# Allegro board DPU_PoE_A1_Oct-13.brd (continued)
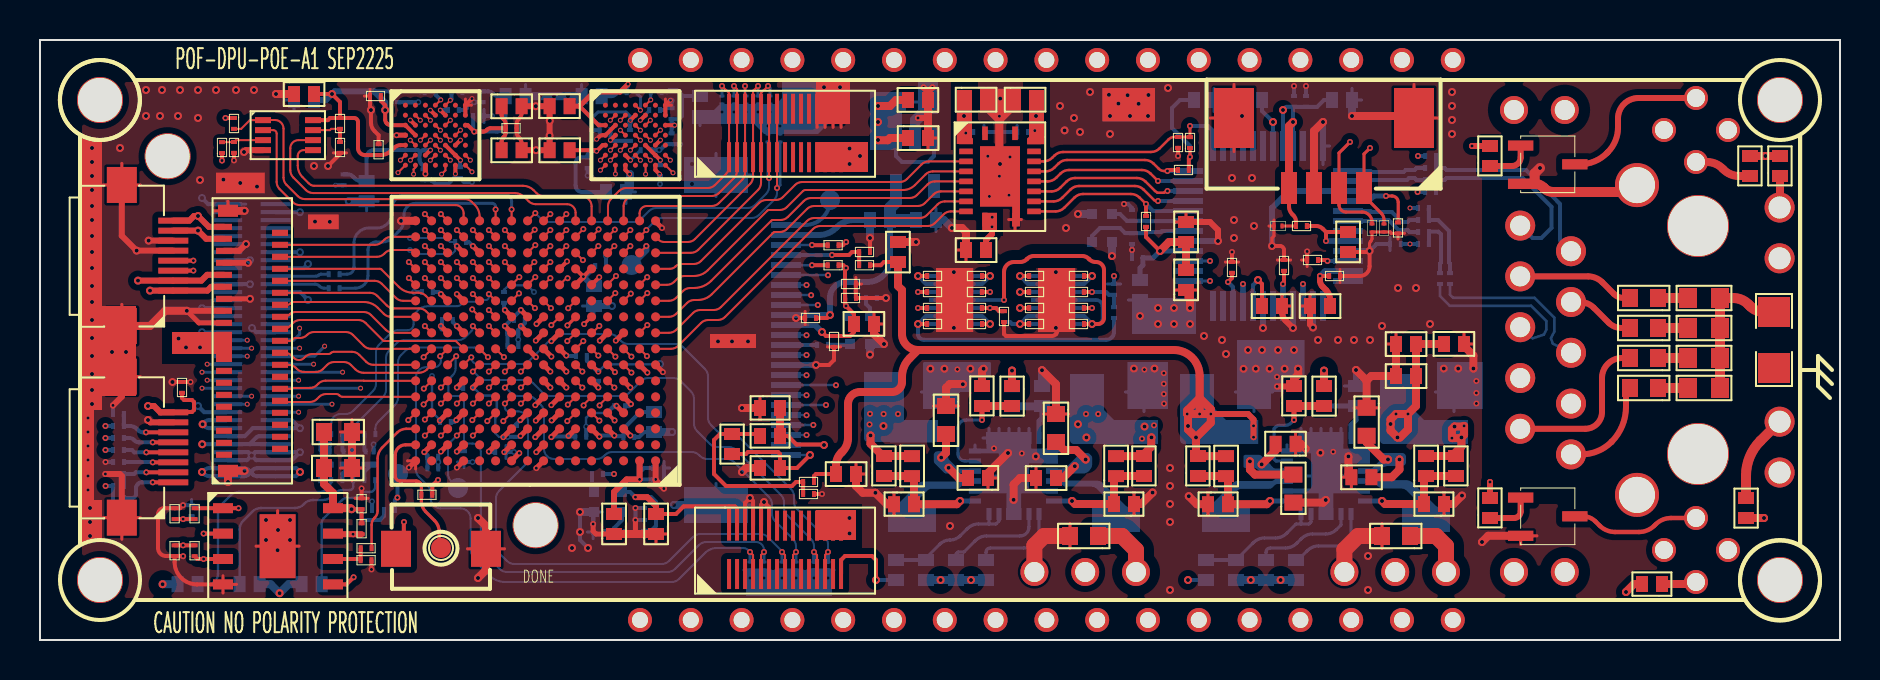
[diagram p0: board, top side]
## Footprints (pads in the part's own frame, mm; a bottom-side part is the same pattern mirrored in y, then rotated) (continued)
  rect 1.5x1.5 smd: EPAD(0,0)
UDFN-8-2X3
  rect 0.3x0.8 smd: 1(0,-2.5) 2(0.5,-2.5) 3(1,-2.5) 4(1.5,-2.5) 5(1.5,0) 6(1,0) 7(0.5,0) 8(0,0)
unnamed#2
  round 2.3 hole 2.2 unplated: (0,0)
unnamed#3
  round 3.1 hole 3 unplated: (0,0)
VQFN-20
  rect 0.68x0.28 smd: 1(-2.157,-0.75) 10(2.158,-0.75) 11(2.158,0.75) 20(-2.157,0.75)
  rect 0.28x0.68 smd: 2(-1.75,-1.7) 3(-1.25,-1.7) 4(-0.75,-1.7) 5(-0.25,-1.7) 6(0.25,-1.7) 7(0.75,-1.7) 8(1.25,-1.7) 9(1.75,-1.7) 12(1.75,1.7) 13(1.25,1.7) 14(0.75,1.7) 15(0.25,1.7) 16(-0.25,1.7) 17(-0.75,1.7) 18(-1.25,1.7) 19(-1.75,1.7)
  rect 3x2 smd: EPAD(0,0)
WFBGA-49
  round 0.25 smd: A1(0,0) A2(0.5,0) A3(1,0) A4(1.5,0) A5(2,0) A6(2.5,0) A7(3,0) B1(0,-0.5) B2(0.5,-0.5) B3(1,-0.5) B4(1.5,-0.5) B5(2,-0.5) B6(2.5,-0.5) B7(3,-0.5) C1(0,-1) C2(0.5,-1) C3(1,-1) C4(1.5,-1) C5(2,-1) C6(2.5,-1) C7(3,-1) D1(0,-1.5) D2(0.5,-1.5) D3(1,-1.5) D4(1.5,-1.5) D5(2,-1.5) D6(2.5,-1.5) D7(3,-1.5) E1(0,-2) E2(0.5,-2) E3(1,-2) E4(1.5,-2) E5(2,-2) E6(2.5,-2) E7(3,-2) F1(0,-2.5) F2(0.5,-2.5) F3(1,-2.5) F4(1.5,-2.5) F5(2,-2.5) F6(2.5,-2.5) F7(3,-2.5) G1(0,-3) G2(0.5,-3) G3(1,-3) G4(1.5,-3) G5(2,-3) G6(2.5,-3) G7(3,-3)
WSON-8-EP-6X5MM
  rect 1x0.5 smd: 1(-2.73,1.9) 2(-2.73,0.63) 3(-2.73,-0.64) 4(-2.73,-1.91) 5(2.77,-1.91) 6(2.77,-0.64) 7(2.77,0.63) 8(2.77,1.9)
  rect 1.8x3.2 smd: EP(0,0)
WSON-14-EP
  rect 0.2x0.7 smd: 1(0,-1.8) 2(0.4,-1.8) 3(0.8,-1.8) 4(1.2,-1.8) 5(1.6,-1.8) 6(2,-1.8) 7(2.4,-1.8) 8(2.4,0) 9(2,0) 10(1.6,0) 11(1.2,0) 12(0.8,0) 13(0.4,0) 14(0,0)
  rect 2x0.3 smd: EP(1.197,-0.895)

## Nets
GND: C1.1 C2.1 C3.2 C4.1 C5.1 C6.2 C7.2 C8.1 C9.2 C10.2 C11.1 C12.2 C13.1 C14.1 C15.1 C16.1 C17.1 C18.1 C19.1 C20.1 C21.1 C22.2 C23.1 C24.2 C25.1 C26.2 C27.1 C28.1 C29.1 C31.2 C32.1 C33.1 C34.1 C35.1 C36.2 C37.1 C38.1 C39.2 C40.1 C41.2 C44.2 C46.1 C48.1 C49.1 C50.1 C51.1 C56.1 C57.2 C58.1 C59.1 C60.1 C61.1 C62.1 C63.2 C64.1 C65.1 C66.1 C67.1 C68.2 C69.2 C70.1 C71.1 C72.1 C73.2 C74.2 C75.2 C76.1 C77.1 C78.1 C79.2 C80.1 C81.1 C82.1 C83.1 C84.1 C85.1 C86.2 C87.1 C88.1 C89.1 C90.1 C91.1 C92.1 C93.1 C94.1 C95.1 C96.2 C97.2 C98.1 C99.2 C100.2 C101.1 C102.2 C103.1 C104.1 C105.1 C106.1 C107.1 C108.2 C109.1 C110.2 C111.1 C112.2 C113.1 C114.2 C115.1 C116.1 C117.2 C118.2 C119.2 C120.2 C121.1 C122.1 C123.1 C124.1 C125.2 C126.2 C127.1 C128.2 C129.1 C130.1 C131.2 C132.1 C133.1 C134.1 C135.2 C136.1 C137.1 C138.1 C139.1 C142.1 C143.2 C144.1 C145.1 C146.1 C147.1 C149.2 C150.2 C151.2 D1.1 D2.1 D3.1 D4.1 D5.1 D6.1 D7.1 D8.1 D9.1 D10.1 D11.1 D12.1 D13.1 D14.1 D15.1 D16.1 J1.24 J1.26 J1.28 J1.30 J2.3 J2.5 J2.6 J3.5 J3.6 J3.9 J3.10 J4.7 J4.9 J4.10 J5.6 J5.8 J5.10 J5.12 J7.2 J7.15 J7.25 J7.26 J8.5 J8.6 J8.7 J8.8 J8.11 J8.14 J8.16 J8.17 J8.37 J8.38 J8.43 J8.48 J8.49 J8.54 J8.55 J8.58 J8.68 J8.69 J10.3 J11.3 Q1.2(E) Q2.2(E) Q3.2(EMITTER) Q4.2(EMITTER) Q5.2(EMITTER) R5.2 R6.2 R13.2 R15.1 R16.1 R18.1 R19.1 R23.2 R24.2 R27.1 R34.1 R36.1 R37.1 R38.1 R39.1 R46.2 R59.2 R66.1 R73.2 R82.2 SW1.1 U1.4 U2.A7 U2.B4 U2.B7 U2.C2 U2.D1 U2.E6 U2.G3 U2.G6(VSSQ#G6) U3.A7 U3.B4 U3.B7 U3.C2 U3.D1 U3.E6 U3.G3 U3.G6(VSSQ#G6) U4.11 U4.EPAD U5.A1 U5.A8 U5.A10 U5.A13 U5.A16 U5.B8 U5.B10 U5.B14(VSSSD#B14) U5.C3 U5.C6 U5.C9 U5.C10 U5.D3 U5.D8 U5.D14 U5.E7 U5.E8 U5.F3 U5.F12 U5.G1 U5.G2 U5.G5 U5.G8 U5.H8 U5.H9 U5.J3 U5.J7 U5.J8 U5.J9 U5.J14 U5.L13 U5.M5 U5.N7 U5.P13 U5.T1 U5.T16 U6.4 U6.EP U7.2 U8.3 U8.9 U8.14 U8.16 U8.19 U8.29 U8.48 U9.11 U9.EP U10.11 U10.EP U11.GND1 U11.GND2 U12.3 U12.4 U12.8 U12.12 U12.13 U12.14 U12.15 U12.16 U12.17 U12.19 U12.20 U12.23 U12.EPAD U13.3 U13.4 U13.8 U13.12 U13.13 U13.14 U13.15 U13.16 U13.17 U13.19 U13.20 U13.23 U13.EPAD Y1.23 Y1.25 Y1.27 Y1.33 Y1.35 Y1.40 Y1.41 Y2.2 Y2.4(GND#4) Y3.2 Y4.2
GND_EARTH: C43.1
P1V0: C53.2 C65.2 C110.1 C112.1 C113.2 C114.1 C120.1 C125.1 C126.1 C127.2 C128.1 C131.1 C132.2 C133.2 C135.1 L4.2 R30.2 U5.A2 U5.B15 U5.C4 U5.C5 U5.C7 U5.D7 U5.D9 U5.H7 U5.J10 U5.K9
P1V5: C36.1 C99.1 C100.1 J7.10 U7.5(OUT)
P1V8: C1.2 C2.2 C3.1 C5.2 C6.1 C7.1 C8.2 C9.1 C11.2 C12.1 C13.2 C16.2 C24.1 C26.1 C29.2 C37.2 C44.1 C46.2 C54.2 C56.2 C63.1 C64.2 C66.2 C67.2 C68.1 C69.1 C70.2 C71.2 C72.2 C76.2 C79.1 C80.2 C81.2 C82.2 C83.2 C84.2 C85.2 C87.2 C88.2 C89.2 C90.2 C91.2 C92.2 C93.2 C94.2 C95.2 C96.1 C97.1 C102.1 C104.2 C107.2 C108.1 C109.2 C111.2 C115.2 C116.2 C119.1 C123.2 C124.2 C129.2 C130.2 C136.2 C137.2 C138.2 C139.2 C149.1 J1.23 J1.25 J1.27 J1.29 J3.1 J3.2 J4.8 J5.2 J5.4 J7.11 L3.2 R1.1 R2.1 R4.1 R12.1 R14.1 R31.2 R35.2 R42.2 R43.2 R45.2 R48.1 R49.2 R50.1 R51.2 R60.2 R67.1 R71.1 R72.1 R78.2 R79.1 R80.1 R81.2 U1.8 U2.B5 U2.C1 U2.C7 U2.D2 U2.E1 U2.E5 U2.F3 U2.F6 U3.B5 U3.C1 U3.C7 U3.D2 U3.E1 U3.E5 U3.F3 U3.F6 U4.2 U4.10 U5.B11 U5.B13 U5.C8 U5.D13 U5.E3 U5.F5 U5.F7 U5.F8 U5.F13 U5.G7 U5.J4 U5.J13 U5.K8 U5.K10 U5.L14 U5.M6 U5.N5 U5.N6 U5.P12 U6.8 U7.1 U7.3 U9.1 U9.2 Y1.29 Y1.31 Y3.4(VCC) Y4.4(VCC)
P2V8: C18.2 C55.2 C57.1 C118.1 FB2.1 FB3.1 L2.2 R32.2
P3V3: C4.2 C22.1 C39.1 C52.2 C73.1 C74.1 C75.1 C77.2 C78.2 C86.1 C103.2 C106.2 C117.1 C143.1 C144.2 C145.2 C146.2 C147.2 D1.2 FB1.1 J2.4 J3.7 J3.8 J5.24 J5.26 J5.28 J5.30 L1.2 R3.1 R8.2 R9.2 R10.2 R11.2 R33.2 R41.2 R47.2 U4.19(VCCB) U8.28 U8.43 U8.44 U8.45 U10.1 U10.2 U10.6 U10.7 Y1.37 Y1.39
P3V3A: C14.2 C15.2 C19.2 C25.2 C32.2 FB1.2 R91.2 R92.2 U8.4 U8.8 U8.11 U8.15 U8.17 U8.21
P5V0: C41.1 C48.2 C49.2 C50.2 C51.2 C58.2 C59.2 C60.2 C61.2 C150.1 C151.1 D17.2 D18.2 D19.2 J10.1 J11.1 R25.1 R26.1 R64.2 R65.2 R83.2 R84.2 R85.2 R87.2 R88.2 R89.2 U9.4 U9.6 U9.7 U10.4 U12.10 U12.21 U13.10 U13.21 Y1.17 Y1.19 Y1.21
ACTLED: U8.27 U11.12
C13: TP38.1(TP) U5.C13
CENTER12: C30.2 J6.1 U11.3
CENTER56: C42.2 J6.2 U11.4
DBG_RXD: D3.2 J2.1 U5.K5
DBG_TXD: D2.2 J2.2 U5.H6
DONE: R35.1 TP18.1(TP) U5.B16
DVP_D0: J7.19 U5.E4
DVP_D1: J7.21 U5.E6
DVP_D2: J7.22 U5.D6
DVP_D3: J7.20 U5.E5
DVP_D4: J7.18 U5.D5
DVP_D5: J7.16 U5.F6
DVP_D6: J7.14 U5.G3
DVP_D7: J7.12 U5.H2
DVP_HSYNC: J7.9 U5.H3
DVP_MCLK: J7.13 R63.2
DVP_PCLK: J7.17 U5.F4
DVP_PWDN: J7.8 U5.J2
DVP_RST: J7.6 U5.J5
DVP_SCL: J7.5 R14.2 U5.L3
DVP_SDA: J7.3 R12.2 U5.M2
DVP_VSYNC: J7.7(VSYNC) U5.H4
E_CSN: U4.9 U5.H1
E_INT: U4.5 U5.M1
E_MISO: U4.7 U5.K1
E_MOSI: U4.6 U5.L1
E_RST: U4.4 U5.N1
E_SCLK: U4.8 U5.J1
EN_ME1: R89.1 R90.1 U13.5 U13.6
EN_ME2: R85.1 R86.1 U12.5 U12.6
ETH_CSN: R11.1 U4.12 U8.32
ETH_INT: R10.1 U4.16 U8.36
ETH_MISO: U4.14 U8.34
ETH_MOSI: U4.15 U8.35
ETH_RST: C10.1 R3.2 U4.17 U8.37
ETH_SCLK: U4.13 U8.33
FP_LED0: J3.3 U5.M7
FP_LED1: J3.4 U5.M8
H1_CKN: U3.B2 U5.T8
H1_CKP: U3.B3 U5.T7
H1_CS: R49.1 U3.A4 U5.P5
H1_D0: U3.D4 U5.P7
H1_D1: U3.D3 U5.R8
H1_D2: U3.C5 U5.P3
H1_D3: U3.D5 U5.R4
H1_D4: U3.D6 U5.P4
H1_D5: U3.E4 U5.R5
H1_D6: U3.E3 U5.R6
H1_D7: U3.E2 U5.R7
H1_D8: U3.F5 U5.L10
H1_D9: U3.F1 U5.R9
H1_D10: U3.F7 U5.L8
H1_D11: U3.F2 U5.P8
H1_D12: U3.G5 U5.M9
H1_D13: U3.G1 U5.P9
H1_D14: U3.G7 U5.L9
H1_D15: U3.G2 U5.N9
H1_RST: R48.2 U3.A5 U5.P6
H1_RWDS0: U3.C4 U5.R3
H1_RWDS1: U3.F4 U5.N8
H2_CKN: U2.B2 U5.T15
H2_CKP: U2.B3 U5.T14
H2_CS: R51.1 U2.A4 U5.R10
H2_D0: U2.D4 U5.N12
H2_D1: U2.D3 U5.N13
H2_D2: U2.C5 U5.P11
H2_D3: U2.D5 U5.R12
H2_D4: U2.D6 U5.N11
H2_D5: U2.E4 U5.R13
H2_D6: U2.E3 U5.R14
H2_D7: U2.E2 U5.P14
H2_D8: U2.F5 U5.M11
H2_D9: U2.F1 U5.N15
H2_D10: U2.F7 U5.N10
H2_D11: U2.F2 U5.R15
H2_D12: U2.G5 U5.M12
H2_D13: U2.G1 U5.P15
H2_D14: U2.G7 U5.M10
H2_D15: U2.G2 U5.N14
H2_RST: R50.2 U2.A5 U5.P10
H2_RWDS0: U2.C4 U5.R11
H2_RWDS1: U2.F4 U5.M13
INIT_N: R80.2 TP37.1(TP) U5.D11
IO-3: U5.R16 Y1.36
IO-4: U5.P16 Y1.34
IO-5: U5.L15 Y1.32
IO-6: U5.L16 Y1.30
IO-7: U5.K15 Y1.28
IO-8: U5.K16 Y1.26
IO-9: U5.J16 Y1.24
IO-10: U5.H13 Y1.22
IO-11: U5.H16 Y1.20
IO-12: U5.G16 Y1.18
IO-13: U5.G15 Y1.16
IO-14: U5.F16 Y1.12
IO-15: U5.E16 Y1.10
IO_E10: D14.2 J5.15 U5.E10
IO_F10: D13.2 J5.17 U5.F10
IO_G12: D12.2 J5.23 U5.G12
IO_G13: D11.2 J5.25 U5.G13
IO_G14: D15.2 J5.9 U5.G14
IO_H14: D16.2 J5.7 U5.H14
IO_LED_1: R70.1 U5.L11
IO_LED_2: R69.1 U5.J12
IO_LED_3: R68.1 U5.H12
IO_P1: D4.2 J1.9 J1.10 U5.P1
IO_R1: D5.2 J1.7 J1.8 U5.R1
IO_R2: D9.2 J1.13 J1.14 U5.R2
IO_T2: D6.2 J1.5 J1.6 U5.T2
IO_T3: D7.2 J1.3 J1.4 U5.T3
IO_T4: D8.2 J1.1 J1.2 U5.T4
IO_T9: D10.2 J1.11 J1.12 U5.T9
IR_1V8: C23.2 J8.9 J8.10 J8.12 U9.13 U9.14
IR_1V8_EN: C105.2 R16.2 R61.2 U9.3
IR_3V3: C38.2 J8.13 J8.15 R61.1 U10.8 U10.9(VOUT2.)
IR_3V3_EN: C35.2 R18.2 R62.2 U10.5
IR_5V0: C40.2 J8.1 J8.2 J8.3 J8.4 R62.1 U9.8 U9.9(VOUT2.)
IR_D0: J8.18 U5.E15
IR_D1: J8.19 U5.E12
IR_D2: J8.20 U5.F9
IR_D3: J8.21 U5.E13
IR_D4: J8.22 U5.G10
IR_D5: J8.23 U5.F15
IR_D6: J8.24 U5.E9
IR_D7: J8.25 U5.H15
IR_D8: J8.26 U5.G9
IR_D9: J8.27 U5.J15
IR_D10: J8.28 U5.K7
IR_D11: J8.29 U5.K12
IR_D12: J8.30 U5.J11
IR_D13: J8.31 U5.L12
IR_D14: J8.32 U5.K11
IR_D15: J8.33 U5.M16
IR_HSYNC: J8.34 U5.M15
IR_PCLK: J8.36 U5.M14
IR_PWR_EN: R19.2 U5.M4 U9.5
IR_UART_RX: R58.1 U5.T11
IR_UART_TX: R57.1 U5.T10
IR_VSYNC: J8.35 U5.N16
JTAG_EN: J4.6 R66.2 R67.2 U5.D10
LD_3V3: C21.2 U10.13 U10.14
LD_3V3_EN: R15.2 U10.3
LINKLED: U8.25 U11.14
MCLK: R44.1 U5.C16
MCSN: R42.1 U5.C15 U6.1
MD0: U5.C14 U6.5
MD1: U5.D16 U6.2
MD2: R45.1 U5.D15 U6.3(W#/SIO2)
MD3: R43.1 U5.D12 U6.7
MIPI1_CLK+: U5.D1
MIPI1_CLK-: U5.D2
MIPI1_D0+: U5.E1
MIPI1_D0-: U5.E2
MIPI1_D1+: U5.C1
MIPI1_D1-: U5.C2
MIPI2_CLK+: U5.A5
MIPI2_CLK-: U5.B5
MIPI2_D0+: U5.A4
MIPI2_D0-: U5.B4
MIPI2_D1+: U5.A6
MIPI2_D1-: U5.B6
NC.12: U8.12
PROGRAM_N: C134.2 J4.2 R78.1 SW1.2 U5.C12
PWR_EN_EXT: J5.29 R86.2 R90.2
RN: C141.1 U11.6
RP: C140.1 U11.5
SPARE7: C45.2 J9.1 U11.9
SPARE8: C47.2 J9.2 U11.10
SPI_CS: R1.2 U1.1 U5.T12
SPI_SCK: U1.6 U5.T6
SPI_SI: U1.5 U5.T5
SPI_SO: U1.2 U5.T13
SYNC-1: R23.1 R25.2 U13.11(SYNC)
SYNC-2: R24.1 R26.2 U12.11(SYNC)
SYS_CLK: R74.2 U5.D4
TCK: J4.3 R73.1 U5.F14
TDI: J4.5 R71.2 U5.F11
TDO: J4.1 R79.2 U5.E14
TMS: J4.4 R72.2 U5.E11
TN: R52.1 R91.1 U11.2
TP: R53.1 R92.1 U11.1
TP_P2: TP39.1(TP) U5.P2
UPLD_TXD1: R7.2 U5.H5
UPLD_TXD2: R40.2 U5.G4
N760129: C17.2 FB2.2 J7.4
N760503: C62.2 FB3.2 R28.1 R29.1
N762812: R59.1 R60.1 Y3.1
N763219: R63.1 Y3.3
N900708: R44.2 R46.1 U6.6
N990170: R81.1 R82.1 Y4.1
N990230: R74.1 Y4.3
N1026841: R4.2 R5.1 U1.3(W\P\)
N1026851: R2.2 R6.1 U1.7
N1593173: D18.1(CATHODE) R77.2
N1593177: D19.1(CATHODE) R76.2
N1593181: D17.1(CATHODE) R75.2
N1593233: Q5.3 R77.1
N1593237: Q4.3 R76.1
N1593241: Q3.3 R75.1
N1593321: Q5.1 R70.2
N1593325: Q4.1 R69.2
N1593329: Q3.1 R68.2
N1599549: L4.1 U13.9
N1609517: C122.2 R65.1 U13.18
N1613601: C53.1 R30.1 R36.2 U13.7
N1616720: L3.1 U13.22
N1616768: C54.1 R31.1 R37.2 U13.24
N1627713: R88.1 U13.2
N1630418: R87.1 U13.1
N2071731: L2.1 U12.9
N2071767: R84.1 U12.2
N2071821: C55.1 R32.1 R38.2 U12.7
N2072037: C121.2 R64.1 U12.18
N2072149: L1.1 U12.22
N2072181: R83.1 U12.1
N2072229: C52.1 R33.1 R39.2 U12.24
N2690332: J7.1 TP36.1(TP)
N2822398: J8.50 R58.2
N2822416: J8.52 R57.2
N2837557: C28.2 U9.12
N2837561: C34.2 U9.10
N2851475: C27.2 U10.12
N2851539: C33.2 U10.10
N2872165: J7.23 R27.2 R28.2
N2872169: J7.24 R29.2 R34.2
N2902183: R52.2 U8.1
N2902195: R53.2 U8.2
N2902207: R54.2 U8.5
N2902219: R55.2 U8.6
N2910858: R13.1 U8.10
N2920519: C31.1 U8.20
N2922742: C20.2 U8.22
N2933507: C98.2 R56.2 U8.31(XO) Y2.3
N2934366: C101.2 R56.1 U8.30 Y2.1
N2966266: R41.1 U11.13
N2966270: R9.1 U11.11
N2982594: C43.2 R17.2 R20.2 R21.2 R22.2
N3194519: LD1.2 Q1.3
N3194698: LD1.1 R8.1
N3194743: Q1.1 R7.1
N3194934: LD2.1 R47.1
N3195021: LD2.2 Q2.3
N3195213: Q2.1 R40.1
N3368850: C140.2 R55.1 R94.2
N3368856: C141.2 R54.1 R93.2
N3369036: C142.2 R93.1 R94.1
N29811470: C30.1 R17.1
N29812170: C42.1 R20.1
N29812430: C45.1 R21.1
N29812690: C47.1 R22.1

Pads without a net: J1 15 16 17 18 19 20 21 22; J5 1 3 5 11 13 14 16 18 19 20 21 22 27; J8 39 40 41 42 44 45 46 47 51 53 56 57 59 60 61 62 63 64 65 66 67 70; J10 2; J11 2; LD1 3 4; LD2 3 4; TP1 1; TP2 1; TP3 1; TP4 1; TP5 1; TP6 1; TP7 1; TP8 1; TP9 1; TP10 1; TP11 1; TP12 1; TP13 1; TP14 1; TP15 1; TP16 1; TP17 1; TP19 1; TP20 1; TP21 1; TP22 1; TP23 1; TP24 1; TP25 1; TP26 1; TP27 1; TP28 1; TP29 1; TP30 1; TP31 1; TP32 1; TP33 1; TP34 1; TP35 1; U2 A1 A2 A3 A6 B1 B6 C3 C6 D7 E7 G4; U3 A1 A2 A3 A6 B1 B6 C3 C6 D7 E7 G4; U4 1 3 18 20; U5 A3 A7 A9 A11 A12 A14 A15 B1 B2 B3 B7 B9 B12 C11 F1 F2 G6 G11 H10 H11 J6 K2 K3 K4 K6 K13 K14 L2 L4 L5 L6 L7 M3 N2 N3 N4; U7 4; U8 7 13 18 23 24 26 38 39 40 41 42 46 47; U11 7 8; Y1 1 2 3 4 5 6 7 8 9 11 13 14 15 38

## Via types
v1: diameter 0.3, hole 0.15, TOP to BOTTOM, 308 vias
v2: diameter 0.25, hole 0.15, TOP to BOTTOM, 75 vias
v3: diameter 0.4, hole 0.2, TOP to BOTTOM, 253 vias
v4: diameter 0.3, hole 0.15, TOP to GND-2, 41 vias
v5: diameter 0.4, hole 0.2, TOP to GND-2, 20 vias
v6: diameter 0.25, hole 0.15, TOP to GND-2, 11 vias
v7: diameter 0.4, hole 0.2, GND-7 to BOTTOM, 25 vias
v8: diameter 0.3, hole 0.15, GND-7 to BOTTOM, 44 vias
v9: diameter 0.25, hole 0.15, GND-7 to BOTTOM, 1 via

## Routing (per net, layer and track width the routed paths; a pad name or vN(x,y) marks a point on that pad's centre or on a via; arc(x,y) is an arc through that point)
GND: length 646.4
  TOP w0.102: U5.T1 30.78,20.92 ; J2.5 60,26.1 v3(60.1,26.2)
  TOP w0.15: 67.1,4.57 C151.2 67.1,5.83 ; 49.8,7.52 C60.1 49.8,8.68 ; 16.5,27.53 C2.1 16.22,27.2 ; 57.3,17.02 C147.1 ; C147.1 56.72,17.5 ; C147.1 57.88,17.5 ; 62.78,10.39 C51.1 62.78,9.23 ; 56.72,20.9 C143.2 57.3,21.38 ; 38.85,27.49 J1.24 38.85,25.63 ; 45.82,19.5 C16.1 46.3,18.92 ; C58.1 65.57,8.72 ; C58.1 65.57,7.56 ; C58.1 65.09,8.14 ; 45.93,11.7 C48.1 44.67,11.7 ; v3(61.6,19.7) 61.6,20.1 61.7,20.2 D1.1 ; 59.27,18.9 C20.1 59.93,18.9 ; C149.2 15.6,11.03 ; C149.2 16.18,10.4 ; C149.2 15.02,10.4 ; 40.8,8.88 C57.2 41.28,8.3 ; 15.75,7.08 C63.2 16.41,7.08 ; 31.27,27.04 U3.A7 31.57,26.74 ; 42.7,7.37 R36.1 42.7,6.21 ; 23.23,4.56 SW1.1 21.37,4.56 ; J2.5 59.7,27.78 ; J2.5 58.52,26.1 ; J2.5 59.7,24.42 ; 48.27,27.02 C4.1 ; C4.1 48.75,26.44 ; C4.1 48.75,27.6 ; 66.96,11.61 C49.1 65.7,11.61 ; 74.85,5.21 74.03,5.21 74.03,4.78 ; 3.16,13.17 4.09,13.17 ; 4.09,13.17 5.02,13.17 ; 4.09,13.17 4.09,14.24 ; 39.37,14.66 C44.2 40.03,14.66 ; 71.68,14.8 C145.1 71.2,15.38 ; 62.53,19 C19.1 61.87,19 ; 70.2,7.38 R39.1 70.2,6.22 ; 4.09,15.7 4.09,16.78 ; 4.09,15.7 3.16,15.7 ; 4.09,15.7 4.09,14.62 ; 44.88,25.1 C9.2 44.4,24.52 ; 30.8,4.82 C66.1 31.38,5.3 ; 54.7,6.22 R37.1 54.7,7.38 ; 50.17,11.3 C50.1 51.43,11.3 ; 39.65,25.63 J1.28 39.65,27.49 ; 36,11.02 R27.1 36,12.18 ; U4.11 49.07,21.02 ; U4.11 48.43,21.02 ; U4.11 48.75,20.5 ; 39.25,27.49 J1.26 39.25,25.63 ; 21.57,26.74 U2.A7 21.27,27.04 ; 47.88,8.1 C59.1 47.4,7.52 ; D1.1 61.7,21 ; D1.1 61.45,20.7 ; 4.09,22.75 4.09,23.83 ; 4.09,22.75 5.02,22.75 ; 4.09,22.75 3.16,22.75 ; 42.18,15.8 C37.1 41.7,16.38 ; 67.9,20.05 C14.1 68.23,20.33 ; 4.09,5.04 4.09,6.12 ; 4.09,6.12 3.16,6.12 ; 4.09,6.12 5.02,6.12 ; 9.4,21.94 Y1.41 8.72,21.46 ; U6.EP 12.96,4.69 ; U6.EP 10.8,4.69 ; U6.EP 11.88,6.47 ; 18.38,8.96 U5.A16 18.78,8.56 ; 15.6,7.97 C56.1 ; C56.1 15.02,8.6 ; C56.1 16.18,8.6 ; 67.32,14.8 C144.1 67.8,15.38 ; 63.02,16.7 C32.1 63.5,17.28 ; 58.4,6.21 R38.1 58.4,7.37 ; 69.88,26.1 J2.6 68.7,27.78 ; 63.36,18.67 R13.2 63.08,19 ; 38.26,16.43 C36.2 38.26,15.77 ; 65,17.87 C25.1 65,18.53 ; 62.1,17.28 C31.2 62.58,16.7 ; 40.05,25.63 J1.30 40.05,27.49 ; 14.67,24.36 R6.2 15.33,24.36 ; 41.07,17.8 C26.2 40.79,18.13 ; 51.5,5.83 C150.2 51.5,4.57 ; U6.4 9.15,3.21 ; U6.4 9.15,2.35 ; U6.4 9.83,2.78 ; C3.2 47.78,27.02 ; C3.2 47.3,27.6 ; C3.2 47.3,26.44
  TOP w0.157: v3(66.48,19.45) 66.48,19.81 arc(66.49,19.87) 66.53,19.93 66.55,19.95 arc(66.59,20.01) 66.6,20.07 D2.1 D3.1 67.5,20.4 67.57,20.33 C14.1
  TOP w0.2: R46.2 v4(16.57,3.53) ; v3(50.8,15.61) 50.99,15.8 C41.2 51.65,15.81 R19.1 R16.1 51.65,18.19 C24.2 50.99,18.2 v3(50.8,18.39) 50.6,18.2 C23.1 C28.1 C34.1 C40.1 50.6,15.8 v3(50.8,15.61) ; v3(50.8,15.61) 50.8,15.6 arc(50.86,15.45) 50.8,15.3 50.79,15.29 arc(50.69,15.22) 50.58,15.2 48.3,15.2 48.2,15.3 C35.1 ; U3.G6 30.77,23.5 v6(30.98,23.29) ; v1(7.15,6.74) 7,6.59 C64.1 6.2,6.59 arc(6.1,6.57) 6.01,6.51 5.98,6.48 arc(5.92,6.39) 5.9,6.29 5.9,4.6 arc(6.02,4.32) 6.3,4.2 7.15,4.2 v1(7.16,4.19) C67.1 6.73,3.9 arc(7.06,3.11) 7.85,2.78 U6.4 ; C12.2 24.08,24.83 arc(24.05,24.98) 23.97,25.1 23.94,25.13 arc(23.86,25.25) 23.83,25.39 C8.1 23.83,25.79 arc(23.86,25.93) 23.94,26.05 23.97,26.08 arc(24.05,26.2) 24.08,26.35 C6.2 ; C63.2 v4(16.08,7.58) ; C2.1 16.5,26.55 v3(16.55,26.5) 16.55,25.87 arc(16.59,25.64) 16.72,25.45 16.93,25.24 C11.1 ; C62.1 v4(39.1,7.3) ; C25.1 66,18.2 arc(66.34,18.34) 66.48,18.68 v3(66.48,19.45) 66.43,19.4 C15.1 ; C19.1 62.2,19.5 arc(62.14,19.64) 62,19.7 v3(61.6,19.7) ; C36.2 v5(37.8,16.1) ; U5.N7 v4(26.35,18.93) ; U3.C2 U3.D1 28.13,25.24 arc(28.04,25.22) 27.96,25.17 v6(27.83,25.04) ; v3(38.8,13.75) 39.45,13.75 39.7,14 C44.2 ; R5.2 v1(9.7,23.98) ; J5.8 35.65,6.95 v5(35.5,7.1) 35.25,6.85 J5.6 ; C20.1 v1(59.6,19.4) ; v6(21.6,27.07) U2.A7 U2.B7 ; U2.B4 v6(19.52,26.49) ; U3.G3 29.27,23.5 v6(29.48,23.29) ; U3.B4 v6(29.52,25.99) ; J5.12 36.45,6.65 v5(36.2,6.9) 36.05,6.75 J5.10 ; v6(31.52,26.99) U3.A7 U3.B7 ; v4(27.92,13.42) U5.G5 ; v6(20.77,23.31) U2.G6 ; C17.1 v3(41.5,20.1) ; C10.2 v1(56.9,24.2) ; R6.2 15,24.3 v3(14.4,23.7) ; v3(42.3,17.1) C29.1 40.79,17.11 C26.2 ; U2.C2 18.53,25.98 18.53,25.98 v6(18.52,25.99) ; U3.E6 v6(31.02,24.99) ; v5(6.62,12.9) C46.1 v4(7.53,12.9) ; U5.M5 v4(27.96,18.14) ; R13.2 v1(63.36,19.43) ; v6(21.02,24.99) U2.E6 ; 45.5,18.2 v3(45.7,18.39) 45.89,18.2 C22.2 46.56,17.41 R15.1 R18.1 46.55,15.81 C39.2 45.89,15.8 v3(45.7,15.61) 45.5,15.8 C38.1 C33.1 C27.1 C21.1 45.5,18.2
  TOP w0.25: U2.D1 v4(17.83,25.24) ; U5.J9 v4(24.04,15.7) ; v4(28.79,14.97) U5.J3 ; U5.J7 v4(25.57,14.94) ; v4(28.82,11.71) 29.17,11.36 U5.D3 ; v1(29.77,6) 29.77,5.33 29.8,5.3 ; Y1.23 7.94,15.86 v3(7.34,16.46) ; U5.P13 v4(20.84,19.7) ; U5.B10 v4(23.21,9.39) ; U5.E7 v4(25.57,11.74) ; U5.A16 v4(18.44,8.62) ; v4(21.64,12.62) U5.F12 ; U5.L13 v4(20.84,17.3) ; U5.C3 v4(29.52,10.22) ; U5.G2 v4(30.37,13.37) ; U5.B14 v4(20.04,9.42) ; U5.D14 v4(19.99,10.97) ; U5.F3 v4(29.52,12.62) ; v4(24.79,10.97) U5.D8 ; v4(24.8,14.14) U5.H9 ; v4(23.96,9.34) U5.A10 ; U5.H8 v4(25.57,14.17) ; v1(27.66,5.8) 27.66,5.44 27.8,5.3 C65.1 ; 30.78,20.92 v4(31.1,20.6) ; v4(23.16,10.14) U5.C10 ; v4(20.04,15.7) U5.J14 ; U5.E8 v4(24.77,11.74) ; U5.C6 v4(26.43,10.2) ; U5.A13 v4(20.84,8.62) ; Y1.27 v5(10.5,17.06) ; U5.B8 v4(24.82,9.39) ; v4(24.79,14.97) U5.J8 ; U5.A8 v4(24.82,8.59) ; U5.C9 v4(24.02,10.2) ; v4(31.14,13.39) U5.G1 ; U5.G8 v4(25.52,13.42) ; U2.G3 v4(19.27,23.31)
  TOP w0.3: C32.1 63.5,15.77 v3(63.65,15.62) ; Y1.35 9.96,19.46 v5(10.3,19.8) ; 4.09,6.12 4.09,8.2 3.99,8.3 v1(3.27,8.3) ; C6.2 v5(24.79,26.69) C7.2 25.48,25.97 v5(25.49,25.96) 25.48,25.95 v5(25.48,25.22) C13.1 v5(24.8,24.49) C12.2 ; v3(62.65,15.6) 62.27,15.98 arc(62.15,16.17) 62.1,16.39 C31.2 ; v5(5.4,11) 5.52,10.88 J4.7 ; v1(44.18,27.63) 44.4,27.4 v1(44.62,27.63) ; v3(10.2,24.4) 10.29,24.49 U1.4 ; 4.09,22.75 4.09,20.21 v3(4.83,19.47) J3.5 ; U5.A1 v4(30.78,8.03) 30.78,7.99 v1(31.19,7.57) ; Y1.25 v3(7.34,16.46) ; v1(43.9,26.1) 44.4,26.1 ; v1(61.85,12.68) 62.68,12.68 R24.2 ; C143.2 58.5,20.9 58.9,20.5 v3(58.9,19.95) ; 4.09,13.17 4.09,12.17 v1(3.65,11.73) ; J3.6 v3(5.43,19.97) ; Y1.33 v5(10.4,18.86)
  TOP w0.4: C1.1 v3(11.8,27.3) ; v5(21.9,6.1) 22.3,5.7 SW1.1 22.3,3.5 v5(21.9,3.1) ; C61.1 64.16,6.87 v3(64.29,7) ; v3(7.34,16.46) 6.26,16.46 5.5,15.7 4.09,15.7 ; v3(50.1,13.49) 50.8,12.79 C50.1 ; v3(57.5,16.6) 57.5,17.3 C147.1 ; v3(65.6,26.2) 68.6,26.2 J2.6 ; C56.1 v5(15.6,9.5) C149.2 ; R23.2 47.1,13.48 v3(47.18,13.56) ; C59.1 47.4,8.35 v3(48.4,9.35) ; v3(65.42,9.18) 65.42,8.29 C58.1 ; R34.1 35.3,8.6 v5(35.1,8.4) ; v1(63.29,9.56) 63.04,9.81 C51.1 ; v5(9.4,7.9) Y1.40 v5(10.23,8.46) ; R37.1 55.06,6.8 v3(55.63,7.37) ; J2.3 63.7,25.45 v3(64.15,25.9) ; v3(42.2,14.8) 41.7,15.3 C37.1 ; R24.2 62.7,13.06 62.91,13.27 62.91,13.56 v3(62.9,13.56) ; C9.2 C5.1 44.4,27.4 ; C144.1 C146.1 66.56,13.2 66.33,12.97 ; v3(46.14,12.79) 46.13,12.8 45.49,12.8 45.3,12.61 C48.1 ; v3(72.1,4.9) 72.41,5.21 74.03,5.21 ; C145.1 71.2,14.7 71.67,14.23 v3(71.67,13.57) ; v3(48.68,7.01) 48.68,7.78 49,8.1 C60.1 ; v3(57.44,7.19) 57.84,6.79 R38.1 ; R36.1 42.34,6.79 v3(41.77,7.36) 41.14,7.36 40.8,7.7 C57.2 ; C65.1 C66.1 ; v3(45.6,20.6) 46.1,20.6 46.3,20.4 C16.1 ; R39.1 70.68,6.8 v3(71.1,7.22) ; Y1.41 v5(10.23,21.46) ; U5.T16 v5(18.05,20.96) ; C18.1 v3(43.8,19.9) ; 66.33,12.97 C49.1 ; 66.33,12.97 v3(65.8,13.5) ; R27.1 v3(35.1,11.6)
  TOP w0.5: U11.GND2 79.66,22.55 arc(79.49,22.44) 79.29,22.4 75.66,22.4 arc(75.42,22.45) 75.22,22.58 75.17,22.63 arc(74.97,22.76) 74.73,22.81 ; v3(75,23.6) 74.73,23.33 74.73,22.81 ; 74.73,22.81 Q1.2
  TOP w0.8: C151.2 65.9,5.2 65.22,4.52 J10.3 ; J11.3 49.72,4.72 50.2,5.2 C150.2
  GND-2 w0.102: 18.44,10.2 v4(18.44,8.62) ; v3(27,6.4) 27,5.5
  GND-2 w0.125: 29.14,13 v4(29.52,12.62) ; v4(27.96,18.14) 27.96,19
  GND-2 w0.15: 27.96,19 27.46,19.5 26.92,19.5 v4(26.35,18.93) 25.95,18.53 25.95,17.65 26.2,17.4 27.7,17.4 27.96,17.66 v4(27.96,18.14) ; v5(18.05,20.96) 18.05,20.55 v8(18.5,20.1) ; 29.14,13 28.3,13 27.92,13.38 v4(27.92,13.42) 27.92,13.52 28.2,13.8 29.94,13.8 v4(30.37,13.37) ; v8(18.5,20.1) 19.07,20.1 19.08,20.1 20.5,20.1 20.84,19.76 v4(20.84,19.7) 20.84,19.64 20.5,19.3 20.21,19.3 20.21,19.3 19.08,19.3 19.07,19.3 18.9,19.3 18.5,19.7 v8(18.5,20.1) ; 17.9,11.1 17.9,10.74 18.44,10.2 18.87,10.62 19.62,10.62 19.97,10.97 v4(19.99,10.97) 19.99,11.11 19.7,11.4 18.2,11.4 17.9,11.1
  GND-2 w0.2: v4(28.82,11.71) 28.82,11.68 29.52,10.98 v4(29.52,10.22) 29.54,10.2 30.2,10.2 30.78,9.62 v4(30.78,8.03) 30.78,7.99 v1(31.19,7.57) ; 30.98,22.7 31.1,22.58 v4(31.1,20.6) 31.1,19.4 30.7,19 27.96,19 ; 30.98,22.7 31.8,22.7 32.2,23.1 32.2,24.99 ; 30.98,22.7 v6(30.98,23.29) ; 30.98,22.7 29.58,22.7 29.48,22.8 v6(29.48,23.29) ; v5(25.49,25.96) 25.49,25.23 v5(25.48,25.22) ; v5(25.49,25.96) 24.79,26.66 v5(24.79,26.69) ; v5(25.49,25.96) 26.13,26.6 29.2,26.6 29.52,26.28 v6(29.52,25.99) ; v4(23.96,9.34) 24.77,9.34 v4(24.82,9.39) ; v4(23.96,9.34) 24.02,9.4 v4(24.02,10.2) 23.96,10.14 v4(23.16,10.14) 23.16,9.44 v4(23.21,9.39) 23.91,9.39 v4(23.96,9.34) ; v5(25.48,25.22) 25.66,25.04 v6(27.83,25.04) ; v5(25.48,25.22) 24.8,24.54 v5(24.8,24.49) ; v4(21.64,12.62) 21.64,12.66 20.9,13.4 18.4,13.4 18.1,13.7 18.1,14.9 18.2,15 20.2,15 ; 24.1,14.97 24.1,15.64 v4(24.04,15.7) ; 24.1,14.97 20.23,14.97 20.2,15 ; 24.1,14.97 v4(24.79,14.97) ; v4(25.57,14.17) 24.82,14.17 v4(24.8,14.14) 24.8,14.96 v4(24.79,14.97) ; v4(25.57,14.17) 25.57,14.94 v4(25.57,14.94) 25.54,14.97 v4(24.79,14.97) ; v4(25.57,14.17) 25.57,13.47 v4(25.52,13.42) 25.02,13.42 24.77,13.16 v4(24.77,11.74) ; v4(26.43,10.2) 26.43,9.62 26.19,9.39 v4(24.82,9.39) ; 20.2,15 20.04,15.16 v4(20.04,15.7) 20.04,16.14 20.84,16.94 v4(20.84,17.3) ; v4(24.82,9.39) v4(24.82,8.59) ; v4(20.84,8.62) 20,8.62 ; 20,8.62 v4(18.44,8.62) ; 20,8.62 20.04,8.66 v4(20.04,9.42) ; v6(21.6,27.07) 21.6,26.6 22.3,25.9 22.3,25 22,24.7 21.32,24.7 v6(21.02,24.99) ; v6(31.52,26.99) 31.81,26.99 32.3,26.5 32.3,25.09 32.2,24.99 ; v4(24.79,10.97) 24.79,11.72 v4(24.77,11.74) ; v6(19.52,26.49) 18.61,26.49 18.52,26.4 ; 32.2,24.99 v6(31.02,24.99) ; v6(20.77,23.31) 20.77,22.77 20.6,22.6 19.4,22.6 19.27,22.73 v4(19.27,23.31) ; v3(16.55,26.5) 16.55,25.35 16.66,25.24 v4(17.83,25.24) 17.83,26.03 18.2,26.4 18.52,26.4 ; v4(29.52,12.62) 30.12,12.62 30.37,12.87 v4(30.37,13.37) 30.39,13.39 v4(31.14,13.39) 31.14,14.55 30.73,14.97 v4(28.79,14.97) ; v4(24.77,11.74) v4(25.57,11.74) ; v6(18.52,25.99) 18.52,26.4
  GND-5 w0.15: J11.3 50.39,2.73 ; J11.3 49.72,2.52 ; J11.3 49.05,4.07 ; J11.3 50.39,4.07 ; J11.3 49.05,2.73 ; J11.3 49.72,4.28 ; J11.3 50.6,3.4 ; J11.3 48.84,3.4 ; J10.3 65.89,4.07 ; J10.3 64.34,3.4 ; J10.3 64.55,2.73 ; J10.3 64.55,4.07 ; J10.3 65.22,2.52 ; J10.3 65.89,2.73 ; J10.3 66.1,3.4 ; J10.3 65.22,4.28
  SIG-6 w0.3: U11.GND1 77.95,7.25 77.4,6.7 73.9,6.7 v3(72.1,4.9) ; U11.GND2 79.81,22.7 72.2,22.7 71.5,22 71.5,19.4 70.4,18.3 68.2,18.3 67.05,19.45 v3(66.48,19.45)
  GND-7 w0.15: J11.3 49.72,4.28 ; J11.3 48.84,3.4 ; J11.3 50.39,2.73 ; J11.3 50.39,4.07 ; J11.3 49.05,2.73 ; J11.3 49.05,4.07 ; J11.3 49.72,2.52 ; J11.3 50.6,3.4 ; 64.34,3.4 J10.3 ; J10.3 65.22,4.28 ; J10.3 64.55,4.07 ; J10.3 65.89,2.73 ; J10.3 65.89,4.07 ; J10.3 66.1,3.4 ; J10.3 64.55,2.73 ; J10.3 65.22,2.52
  BOTTOM w0.102: v8(23.37,10.16) 22.95,10.16 22.77,10.34 ; 19.91,8.91 v8(19.91,8.9) ; v8(18.5,19.5) 18.7,19.3 20.6,19.3 20.76,19.46 C102.2 20.5,19.9 20.3,20.1 v8(18.5,20.1)
  BOTTOM w0.123: C109.1 23.2,17.5 23.43,17.73 24.37,17.73 v8(24.7,17.4)
  BOTTOM w0.125: v8(19.6,13.2) 19.6,11.4 20,11 C124.1 ; C116.1 22.08,12.22 22.74,12.22 22.84,12.12 22.84,11.19 22.77,11.11 22.77,10.34 ; C115.1 28,13.5 28.28,13.78 30.96,13.78 30.97,13.77 v7(31,13.8) ; v8(28.38,11.38) 28.35,11.35 27.62,11.35 27.58,11.38 27.3,11.1 27.3,10.68 v8(27.31,10.67)
  BOTTOM w0.15: C97.2 29.78,22.4 ; C97.2 29.3,22.98 ; C97.2 29.3,21.82 ; 39,3.5 D12.1 38.4,3.5 ; J7.26 33.8,24.33 ; J7.26 35.58,23.25 ; J7.26 33.8,22.17 ; 62.75,10.1 U12.13 ; U12.13 63.05,9.62 ; U12.13 63.05,10.58 ; 27.7,16.22 C108.2 27.12,16.7 ; D8.1 v8(34.1,26.4) ; 46.75,9.75 U13.12 47.23,9.45 ; 44.3,26.27 C79.2 ; C79.2 44.3,27.53 ; C79.2 44.88,26.9 ; C79.2 43.72,26.9 ; v8(29.5,25.9) 29.5,26.2 29.3,26.4 27.9,26.4 27.6,26.1 27.6,25.5 v8(27.61,25.49) ; C117.2 70.7,13.38 ; C117.2 69.77,12.4 ; C117.2 70.7,11.42 ; C117.2 71.63,12.4 ; C119.2 56.13,12.4 ; C119.2 54.27,12.4 ; C119.2 55.2,13.38 ; C119.2 55.2,11.42 ; 63.37,8.2 U12.EPAD ; U12.EPAD 65.23,8.2 ; U12.EPAD 64.3,7.27 ; U12.EPAD 64.3,9.13 ; 35.58,6.75 J7.25 33.8,7.83 ; 65.6,27.58 C73.2 66.08,27 ; D14.1 v8(37.1,3.1) ; D14.1 37.4,3.5 ; D14.1 36.8,3.5 ; D10.1 v8(36.4,25.7) ; 44.8,20.42 C99.2 44.8,21.58 ; 23.3,9.73 C129.1 23.3,9.07 ; 53.37,17.8 C105.1 54.03,17.8 ; D9.1 v8(37,25.7) ; 47.95,9.62 U13.14 47.95,10.58 ; 55.58,17 C106.1 54.42,17 ; 48.86,25.07 C86.2 48.86,25.73 ; 47.2,25.07 C87.1 47.2,25.73 ; 7.91,6.74 C138.1 7.58,7.02 ; D7.1 v8(34.7,26.4) ; 66.38,12.7 C121.1 65.22,12.7 ; 65.05,10.58 U12.17 65.05,9.62 ; 37.5,3.5 D13.1 ; D13.1 38.1,3.5 ; D13.1 v8(37.8,3.1) ; 48.45,10.58 U13.15 48.45,9.62 ; 64.55,9.62 U12.16 64.55,10.58 ; 27.98,25.82 C85.1 27.98,25.16 ; 67.5,19.47 C142.1 67.5,20.13 ; 47.15,10.1 U13.13 ; U13.13 47.45,9.62 ; U13.13 47.45,10.58 ; 39.1,3.5 D11.1 39.7,3.5 ; 63.55,10.58 U12.14 63.55,9.62 ; 64.05,10.58 U12.15 64.05,9.62 ; 62.83,9.45 U12.12 62.35,9.75 ; 12.7,26.42 C76.1 ; C76.1 12.22,27 ; C76.1 12.7,27.58 ; 35.9,3.5 D15.1 ; D15.1 36.5,3.5 ; D15.1 v8(36.2,3.1) ; 9.36,22.07 J8.69 10.29,21.79 ; 64.15,23.77 U8.48 64.48,24.7 ; 31.2,8.93 C132.1 31.48,8.6 ; 47.77,8.2 U13.EPAD ; U13.EPAD 49.63,8.2 ; U13.EPAD 48.7,7.27 ; U13.EPAD 48.7,9.13 ; 20.87,8.9 C130.1 21.2,8.62 ; D4.1 v8(36.5,26.4) ; 27.66,5.07 R82.2 27.38,5.4 ; 50.6,9.75 U13.19 51.08,9.45 ; 27.08,26.61 C68.2 27.08,27.77 ; 48.95,9.62 U13.16 48.95,10.58 ; 49.45,9.62 U13.17 49.45,10.58 ; 22.2,26.53 C84.1 22.2,25.87 ; 45,11.42 C120.2 ; C120.2 45,13.38 ; C120.2 45.93,12.4 ; C120.2 44.07,12.4 ; 58.7,26.42 C75.2 58.7,27.58 ; 33.58,26.2 C80.1 33,25.72 ; D6.1 v8(35.3,26.4) ; D5.1 v8(35.9,26.4) ; 60.7,11.42 C118.2 ; C118.2 59.77,12.4 ; C118.2 61.63,12.4 ; C118.2 60.7,13.38 ; 28.13,6.4 Y4.2 27.7,5.97 ; 16.33,21.46 C96.2 16.91,21.94 ; D16.1 35.8,3.5 ; D16.1 35.2,3.5 ; D16.1 v8(35.5,3.1) ; 24.28,27.77 C69.2 24.28,26.61
  BOTTOM w0.157: J8.37 v7(8.1,15.39)
  BOTTOM w0.2: v7(7.9,11.7) 8.21,11.39 J8.17 ; C125.2 30.2,10.4 29.95,10.15 C128.2 ; C78.1 v1(62.7,27.7) ; v7(13.4,17) 13.01,17.39 J8.48 ; v7(10.5,18.99) J8.55 ; v8(21.3,26.6) 21.2,26.5 C82.1 ; v7(10.58,9.22) 10.35,8.99 J8.5 ; v7(10.58,9.22) 10.41,9.39 J8.7 ; v7(10.58,9.22) 10.75,9.39 J8.8 v7(13,9.39) 12.6,8.99 J8.6 10.81,8.99 v7(10.58,9.22) ; Q4.2 v8(15.58,9.78) ; C84.1 v8(22.6,26.2) ; J8.16 12.6,10.99 v7(13,10.59) J8.14 10.63,10.59 10.23,10.19 J8.11 ; C126.2 v8(23.37,10.16) ; C111.1 v8(20.1,15.57) ; R73.2 v1(3.28,8.9) ; C104.1 v8(28.3,19.2) ; C114.2 27.34,13.96 27.8,13.5 C115.1 ; R82.2 v1(27.66,5.8) 27.66,6.36 Y4.2 ; C129.1 v8(23.7,9.4) ; v7(10.6,15.6) 10.81,15.39 J8.38 ; C94.1 v8(19.59,22.99) 19.78,22.8 20.4,22.8 20.7,23.1 C93.1 21.2,22.9 v8(21.6,22.9) ; C139.1 v1(29.77,6) v1(29.77,6.6) C136.1 ; C105.1 v1(53.7,18.2) ; J8.54 13.19,18.59 v7(13.4,18.8) ; C101.1 v1(54.6,19.5) C103.1 ; v1(31.19,7.57) C135.2 31.2,8.01 C132.1 ; C142.1 66.83,19.8 v3(66.48,19.45) ; C134.1 v1(3.27,8.3) ; 47.97,25.4 47.97,25.4 v1(47.97,26.19) ; 47.97,25.4 C86.2 ; 47.97,25.4 C87.1 ; C81.1 31.2,26.5 31.3,26.6 31.57,26.6 C83.1 v8(31.58,26.97) ; C107.1 v8(18.7,17.4) ; v1(54.2,21.8) 54.4,21.8 54.6,21.6 C98.1 ; U9.11 50.79,17 U9.EP ; C138.1 v1(7.15,6.74) ; C123.1 28.69,11.69 v8(28.38,11.38) ; v3(27.4,4.6) 27,5 v3(27,5.4) v3(27,6.4) ; J8.43 v7(8.1,16.59) ; C130.1 v8(21.63,8.9) ; R59.2 v3(42.3,17.1) ; C72.1 C71.1 v8(18.92,26.89) ; C137.1 v8(16.6,6.93) ; J8.68 v7(13,21.39) ; J8.49 v7(10.5,17.79) ; C127.1 v8(27.31,10.67) ; C133.1 19.91,8.59 C131.2 ; U10.EP 45.69,17 U10.11 ; D12.1 v8(38.7,3.1) ; J8.69 8.41,21.79 v7(8.1,22.1) ; Q5.2 v8(14.48,9.78) ; C91.1 v8(27.38,23.22) ; C113.1 23.92,14.98 23.91,14.99 v8(23.91,15.02) C112.2 23.9,15.35 23.9,15.5 24.24,15.84 C110.2 ; C89.1 v8(32.01,24.79) 32,24.8 31.3,24.8 31,24.5 v8(30.96,24.5) 30.9,24.5 30.89,24.49 C90.1 ; C70.1 v8(21.7,26.89) ; Q3.2 v8(16.68,9.78) ; C77.1 v1(63.3,27.7) ; D11.1 v8(39.4,3.1) ; J8.58 v7(13,19.39) ; C95.1 v9(14.78,22.74) ; C85.1 v8(27.61,25.49) ; C88.1 v8(29.5,25.9) ; R66.1 v1(3.65,11.73) ; C92.1 v8(31,22.8)
  BOTTOM w0.3: U8.48 v3(64.15,25.9) ; U8.16 v3(62.65,15.6) ; C108.2 v7(28.6,16.7) ; v3(11.8,27.3) 12.4,27.3 C76.1 ; J7.2 38.95,20.25 arc(39.41,20.34) 39.8,20.6 39.85,20.65 arc(40.24,20.91) 40.7,21 C100.2 ; U8.3 62.45,22.45 61.6,21.6 v3(61.6,19.7) ; v3(50.8,15.61) U9.EP v3(50.8,18.39) ; C121.1 v3(65.8,13.5) ; J7.15 v3(38.8,13.75) ; v3(45.7,15.61) U10.EP v3(45.7,18.39) ; U8.9 v3(66.48,19.45) ; U8.14 v3(63.65,15.62) ; U8.29 v3(58.9,19.95) ; U8.19 v3(61.15,15.6)
  BOTTOM w0.4: C99.2 45.2,21 v3(45.6,20.6) ; Y2.4 v3(53.6,19.2) ; v7(31.6,10.4) C125.2 ; C96.2 v7(15.44,21.94) ; C122.1 v3(50.1,13.49) ; C106.1 v3(55,16.2) ; v3(27,6.4) Y4.2 ; v3(41.5,14.27) Y3.2 v3(42.2,14.8) ; J7.25 v7(31.7,6.75) ; v3(41.5,20.1) C100.2 ; C73.2 v3(65.6,26.2) ; C69.2 24.99,27.19 v7(25,27.2) 25.01,27.19 v7(25.7,27.19) 26.39,27.19 v7(26.4,27.2) 26.41,27.19 C68.2 ; C75.2 C74.2 v3(60.1,26.2) ; Y2.2 v3(51.9,21.3) ; C97.2 29.5,22.6 v7(29.5,23.3)
  vias: v1(2.4,11.1) v1(2.4,10.4) v1(2.4,9.7) v1(2.4,9) v1(2.4,8.2) v1(2.4,7.5) v1(45.87,13.53) v1(47.39,24.19) v1(47.47,22.18) v1(47.7,9.58) v1(47.97,23.19) v1(48.5,24.15) v1(48.45,22.24) v1(49.09,9.33) v1(55.22,13.52) v1(56.19,13.34) v1(56.19,12.81) v1(56.19,12.3) v1(56.2,11.82) v1(61.85,13.16) v1(64.66,9.41) v1(71.82,12.95) v1(71.82,12.35) v1(71.82,11.83) v3(2.5,6.6) v3(2.5,5.9) v3(2.5,5.2) v3(2.6,24.6) v3(2.6,23.9) v3(2.6,23.2) v3(2.6,22.5) v3(2.6,21.7) v3(2.6,21) v3(2.6,20.2) v3(2.6,19.4) v3(2.6,18.6) v3(2.6,17.7) v3(2.6,16.9) v3(2.6,16) v3(2.6,15.1) v3(2.6,14.2) v3(2.6,13.3) v3(2.6,12.5) v3(2.6,11.8) v3(3.6,14.4) v3(4,24.6) v3(4.3,14.4) v3(5.3,27.5) v3(5.3,26.2) v3(6,26.2) v3(6.1,27.5) v3(6.9,26.2) v3(7,27.5) v3(7.9,27.5) v3(7.9,26.1) v3(8,23) v3(8.8,27.5) v3(9.17,23.02) v3(9.8,27.5) v3(10.01,22.85) v3(10.7,27.5) v3(10.85,22.67) v3(11.3,6) v3(11.3,5) v3(11.9,5.5) v3(11.88,4.49) v3(12.5,6) v3(12.5,5) v3(13.7,23.7) v3(13.75,20.92) v3(14.49,20.91) v3(26.6,4.6) v3(33.9,14.93) v3(34.6,14.93) v3(35.4,14.93) v3(39.2,27.64) v3(40,27.64) v3(44.52,13.56) v3(45.22,13.56) v3(45.5,5.7) v3(46.52,13.56) v3(48.01,27.07) v3(48,23.8) v3(49.79,9.18) v3(51,26.7) v3(51.23,25.48) v3(51.3,20.6) v3(51.7,26.1) v3(52,25.4) v3(52.5,27.4) v3(53.45,27.26) v3(53.5,26.2) v3(53.5,25.3) v3(53.92,26.82) v3(54.38,27.24) v3(54.5,26.2) v3(54.7,13.57) v3(54.93,26.81) v3(55.42,27.25) v3(55.4,26.2) v3(55.72,13.57) v3(55.9,16.6) v3(55.9,15.8) v3(56.4,27.6) v3(56.5,8.6) v3(56.5,7.7) v3(56.5,6.8) v3(56.5,5.9) v3(56.5,2.5) v3(56.7,16.6) v3(56.7,15.8) v3(57.5,15.8) v3(58.2,15.2) v3(59.1,15) v3(59.3,14.3) v3(59.6,23.1) v3(59.7,21) v3(59.7,20.1) v3(60.18,13.56) v3(60.4,14.5) v3(60.6,23.1) v3(60.7,20.7) v3(60.79,13.56) v3(61.1,14.5) v3(61.48,13.56) v3(61.9,14.5) v3(62.23,13.56) v3(62.7,14.5) v3(63.9,15) v3(64.02,9.36) v3(64.9,15) v3(65.7,15) v3(66.4,4.2) v3(66.4,2.5) v3(66.5,15) v3(67.1,15.7) v3(67.9,17.6) v3(68.8,17.6) v3(69.5,15.8) v3(70.19,13.57) v3(70.6,27.4) v3(70.6,26.7) v3(70.6,26) v3(70.6,25.3) v3(70.91,13.57) v7(32.6,23.8) v7(32.6,22.8)
